# Allegro board AB9.brd
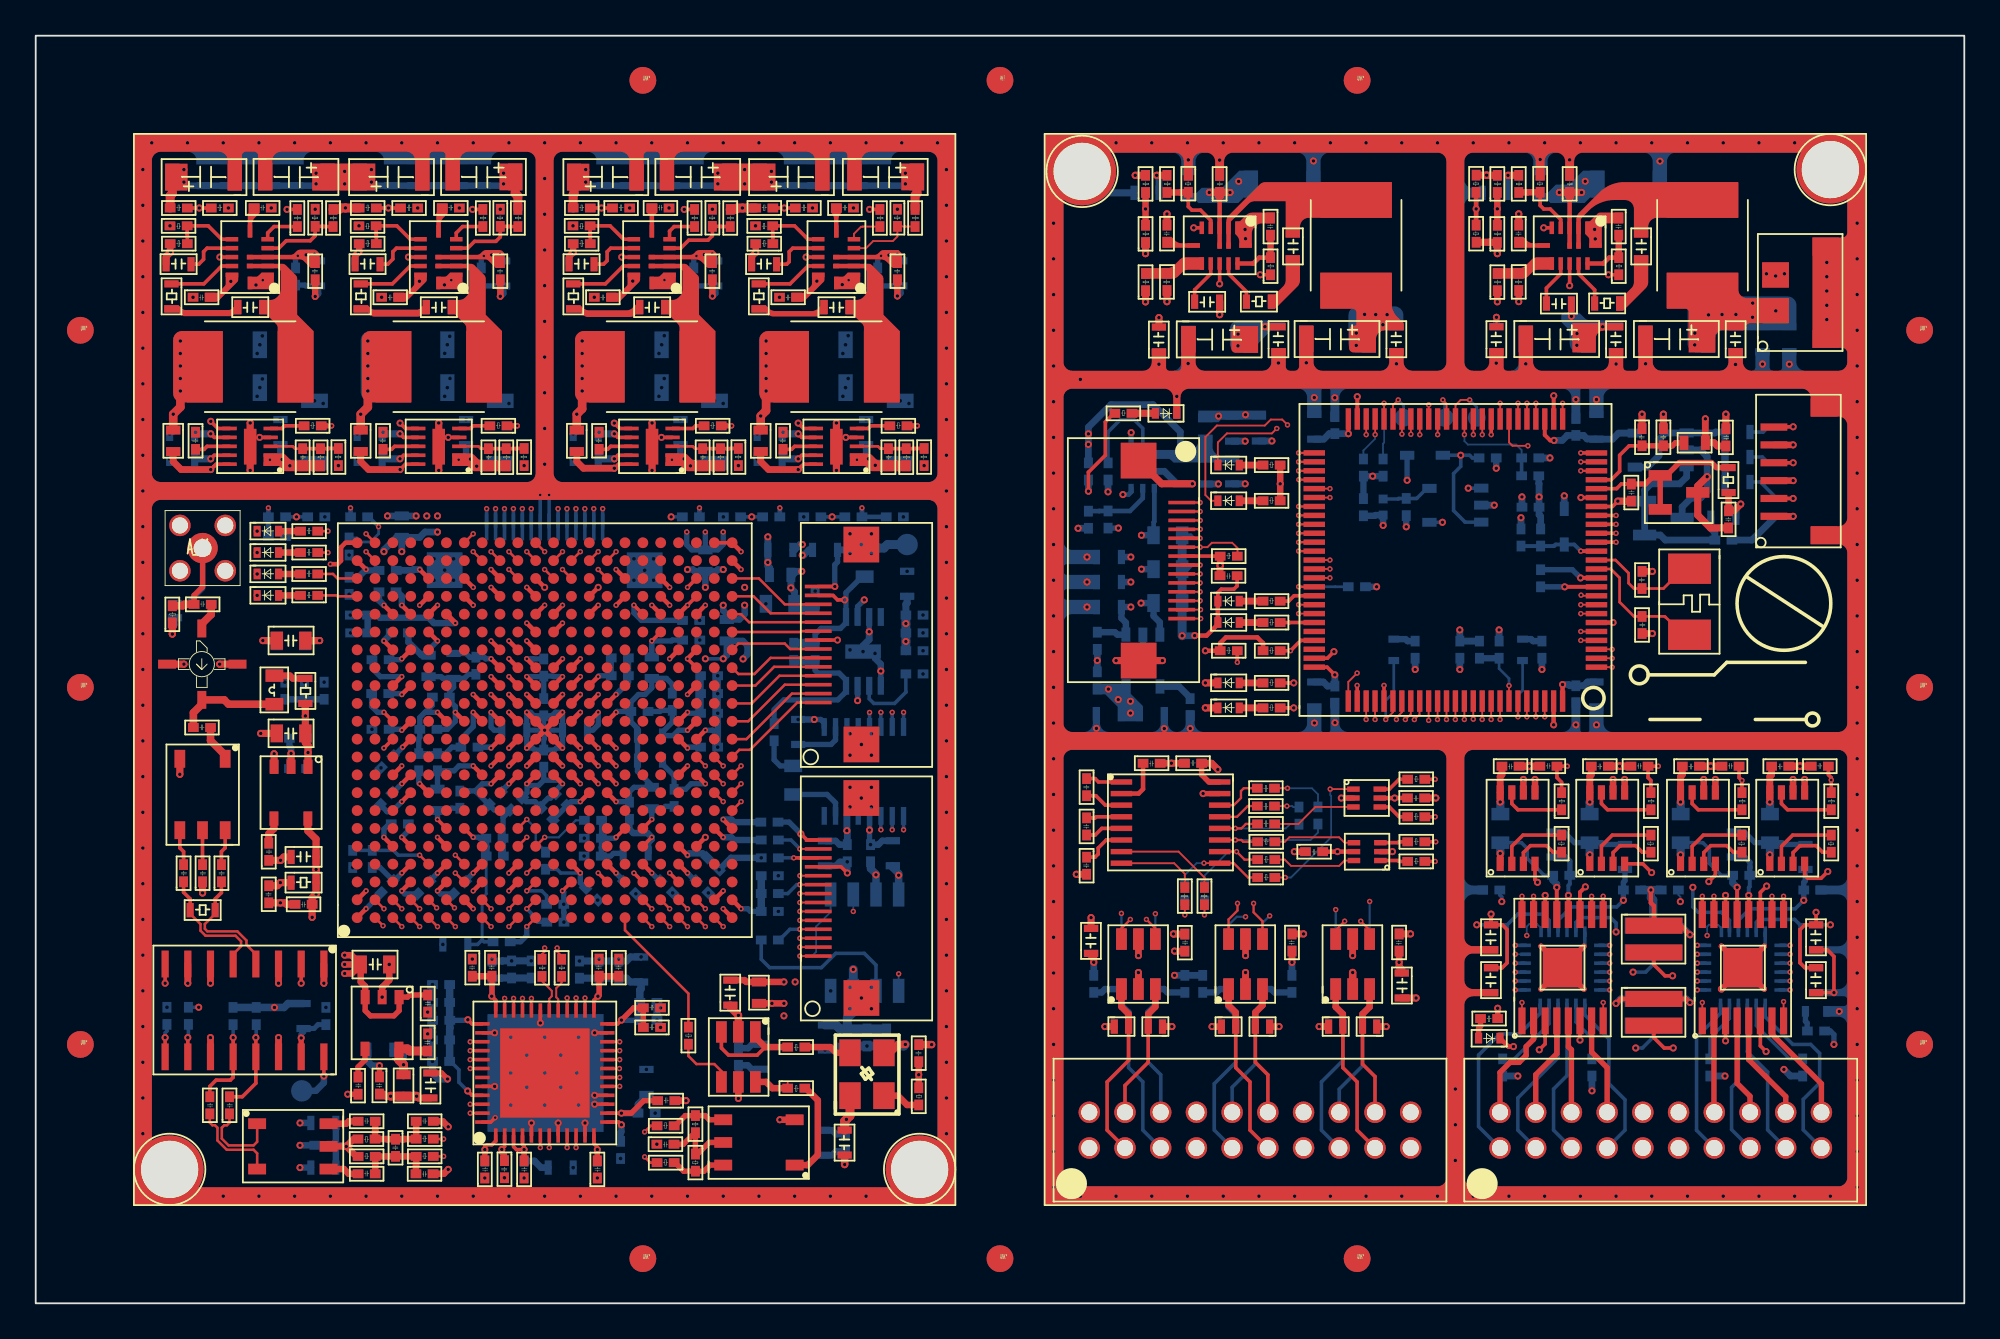
[diagram p0: board, top side]
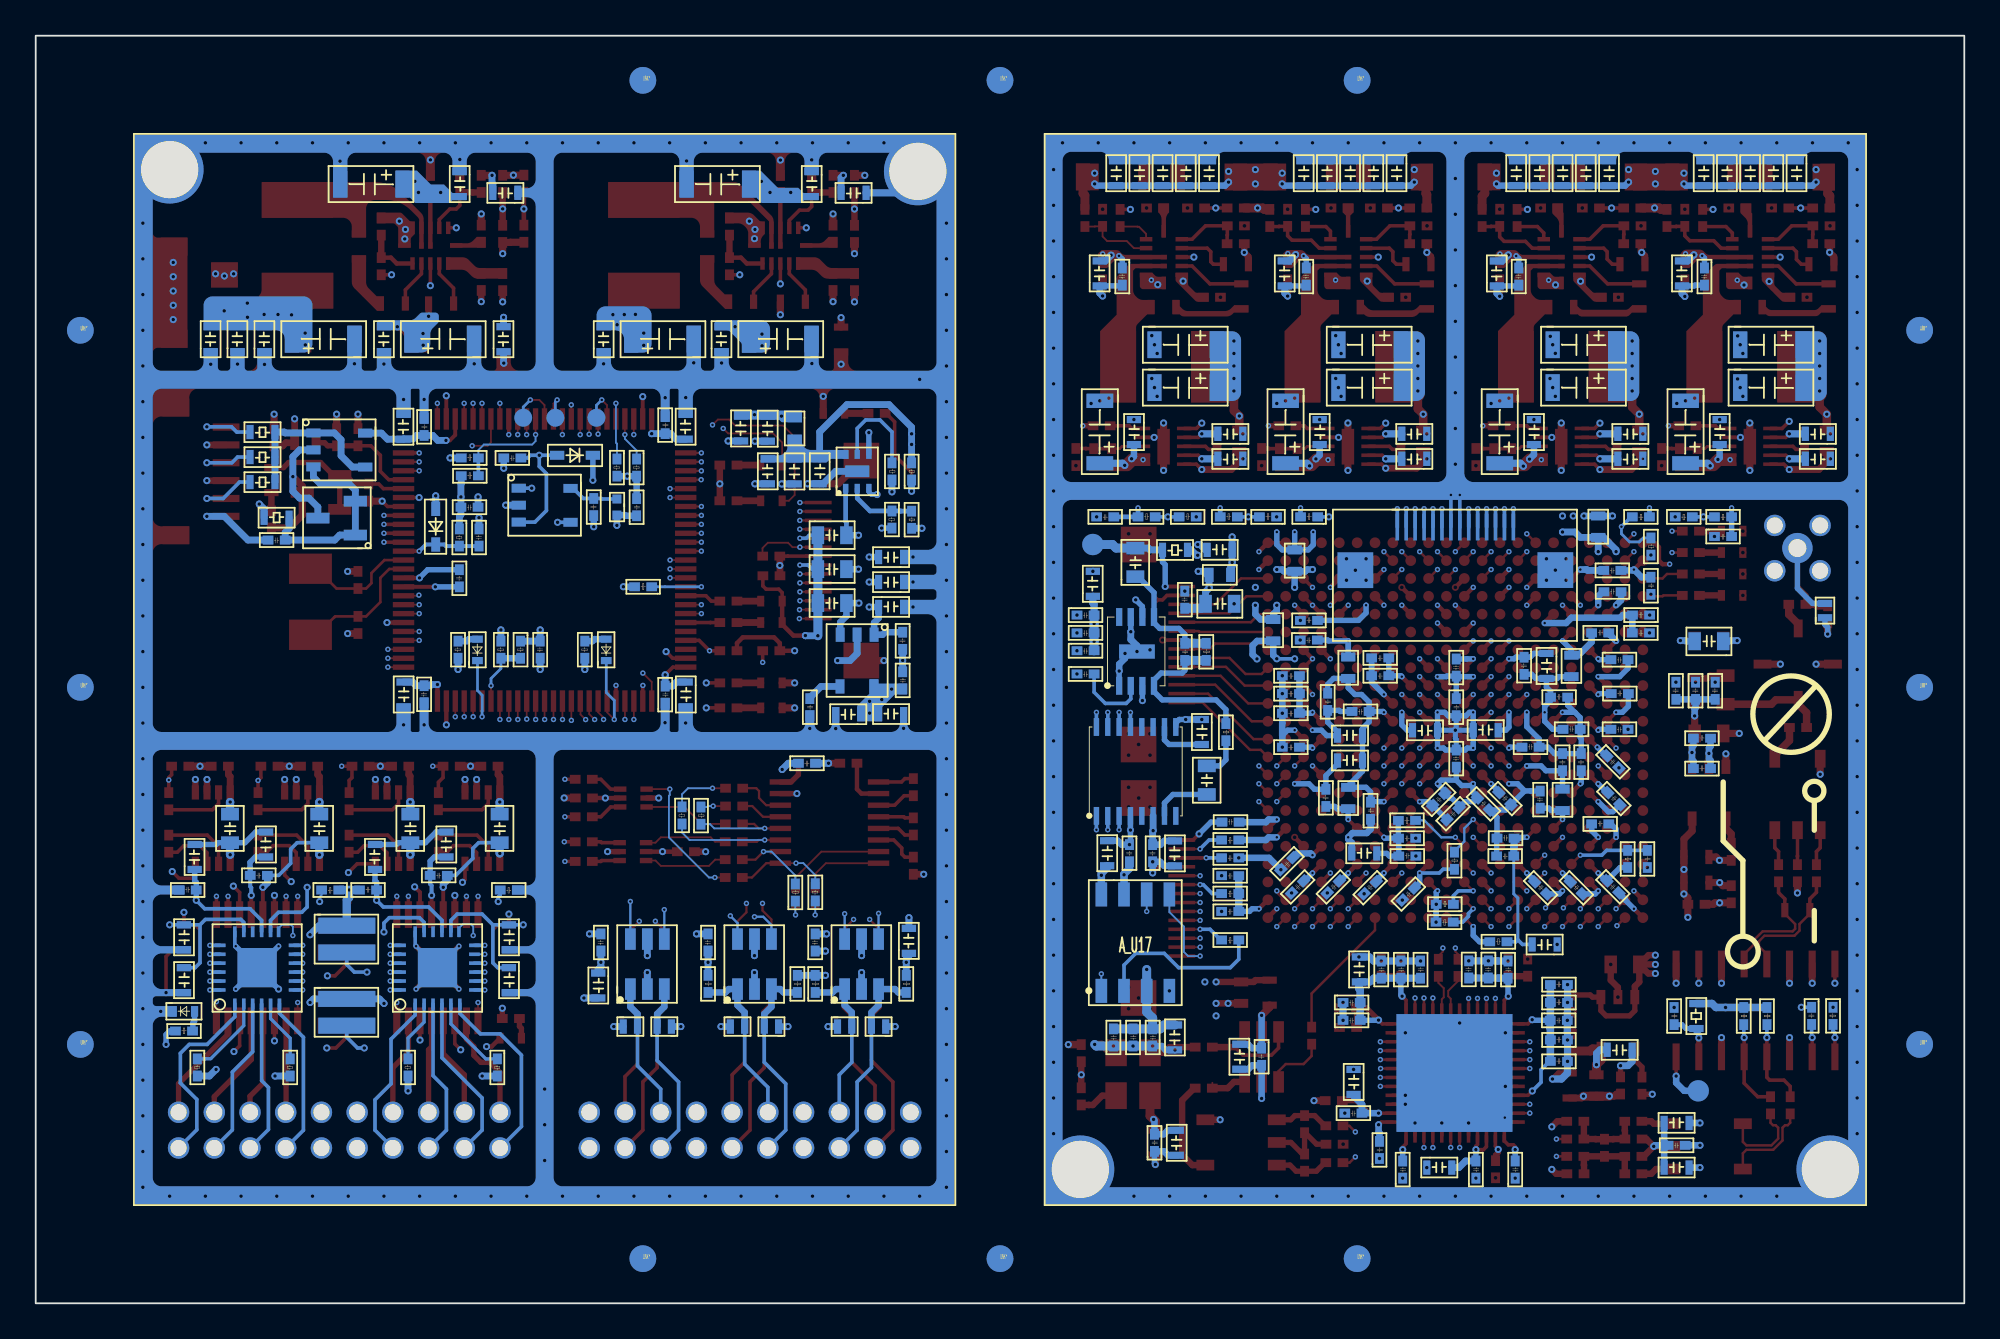
[diagram p1: board, bottom side, seen from below]

Outline 108 x 71 mm; copper layers: TOP, GND-L2, SIGNAL-L3, SIGNAL-L4, GND-L5, PWR-L6, SIGNAL-L7, SIGNAL-L8, GND-L9, BOTTOM. Coordinates in mm from the lower left corner of the outline.
Outline path: rectangle 0,0 108,71

## Design rules (mm)
constraint set DEFAULT: min track width 0.127
net group A_DATA0: nets A_DATA0 A_N7454523
net group A_N7578107: nets A_N7578107 A_N7578654
net group A_N7580738: nets A_N7580738 A_RSSI
net group A_N7581076: nets A_N7581076 A_TINP
net group A_N7581083: nets A_N7581083 A_TINN
net group A_N7586496: nets A_N7586496 A_N7586806
net group A_AIN+: nets A_AIN+ A_AIN- A_N7581273 A_N7581277 A_N7581373 A_N7581387 A_VCOM
net group A_ENC+: nets A_ENC+ A_ENC- A_N7587990 A_N7588005 A_N7588017
net group A_N7578935: nets A_N7578935 A_N7579108 A_N7579398
net group A_N7579488: nets A_N7579488 A_N7579492 A_SOUTN A_SOUTP

## Placement (name value [footprint] x y rotation side)
A_A1  -  [ERA-2SM]  9.3 35.8 270 top
A_C1  22uF/50V  [C1206]  11 63.87 180 top
A_C2  22uF/50V  [C1206]  13 62.3 0 top
A_C3  22uF/50V  [C1206]  21.5 63.87 180 top
A_C4  22uF/50V  [C1206]  23.5 62.3 0 top
A_C5  22uF/50V  [C1206]  33.5 63.87 180 top
A_C6  22uF/50V  [C1206]  35.5 62.3 0 top
A_C7  22uF/50V  [C1206]  43.9 63.87 180 top
A_C8  22uF/50V  [C1206]  46 62.3 0 top
A_C9  15nF  [C0402]  13.2 61.6 180 top
A_C10  15nF  [C0402]  23.74 61.6 180 top
A_C11  15nF  [C0402]  35.48 61.6 180 top
A_C12  15nF  [C0402]  45.8 61.6 180 top
A_C13  100pF  [C0603]  7.2 57.8 0 top
A_C14  150pF  [C0603]  17.78 57.8 0 top
A_C15  100pF  [C0603]  29.77 57.8 0 top
A_C16  100pF  [C0603]  39.99 57.8 0 top
A_C17  0.1uF/50V  [C0402]  15.4 58.3 270 top
A_C18  0.1uF/50V  [C0402]  25.77 58.3 270 top
A_C19  0.1uF/50V  [C0402]  37.64 58.3 270 top
A_C20  0.1uF/50V  [C0402]  48.01 58.3 270 top
A_C21  1uF  [C0402]  8.8 56.1 0 top
A_C22  1uF  [C0402]  19.36 56.1 0 top
A_C23  1uF  [C0402]  31.27 56.1 0 top
A_C24  1uF  [C0402]  41.64 56.1 0 top
A_C25  0.1uF  [C0603]  12.82 56.2 180 top
A_C26  0.1uF  [C0603]  23.38 56.2 180 top
A_C27  0.1uF  [C0603]  35.32 56.2 180 top
A_C28  0.1uF  [C0603]  45.65 56.2 180 top
A_C29  0.1uF  [C0402]  8.7 48.8 270 top
A_C30  0.1uF  [C0402]  19.2 48.8 270 top
A_C31  0.1uF  [C0402]  31.3 48.8 270 top
A_C32  0.1uF  [C0402]  41.6 48.8 270 top
A_C33  10nF  [C0402]  15.2 46.9 90 top
A_C34  10nF  [C0402]  25.6 46.9 90 top
A_C35  10nF  [C0402]  37.6 46.9 90 top
A_C36  10nF  [C0402]  48 46.9 90 top
A_C37  0.1uF  [C0402]  9.84 39.4 180 top
A_C38  10uF  [C0805]  13.3 36.5 0 top
A_C39  0.1uF  [C0402]  9.8 32.5 180 top
A_C40  10uF  [C0805]  13.3 31.3 0 top
A_C41  0.01uF  [C0402]  13.3 24.8 90 top
A_C42  10uF  [C0603]  14.2 24.6 0 top
A_C43  0.01uF  [C0402]  8.53 23.6 90 top
A_C44  0.01uF  [C0402]  9.59 23.6 90 top
A_C45  0.01uF  [C0402]  10.65 23.6 90 top
A_C46  0.01uF  [C0402]  12.8 23.4 270 top
A_C47  0.1uF  [C0402]  14.51 22.1 0 top
A_C48  10uF  [C0805]  20 19.6 180 top
A_C49  0.1uF  [C0402]  24.2 19.29 270 top
A_C50  0.1uF  [C0402]  25.3 19.29 270 top
A_C51  0.1uF  [C0402]  31.3 19.29 270 top
A_C52  0.1uF  [C0402]  32.4 19.29 270 top
A_C53  10uF  [C0603]  39.3 16.6 90 top
A_C54  0.1uF  [C0402]  22.2 16.3 90 top
A_C55  0.1uF  [C0402]  35 16.8 180 top
A_C56  0.1uF  [C0402]  35 15.7 180 top
A_C57  0.1uF  [C0402]  21.7 15.1 270 top
A_C58  0.1uF  [C0402]  49.2 14.5 270 top
A_C59  0.01uF  [C0402]  18.3 11.7 90 top
A_C60  0.1uF  [C0402]  19 12.69 270 top
A_C61  10uF  [C0603]  21.7 13 270 top
A_C62  0.1uF  [C0402]  35.8 11.6 180 top
A_C63  0.01uF  [C0402]  10 10.6 90 top
A_C64  0.01uF  [C0402]  11.1 10.6 90 top
A_C65  1uF  [C0402]  19.02 10.44 180 top
A_C66  8.2pF  [C0402]  22.27 10.44 180 top
A_C67  10uF  [C0603]  45.7 8.2 90 top
A_C68  0.1uF  [C0402]  34.77 8.66 0 top
A_C69  8.2pF  [C0402]  19.9 9.2 270 top
A_C70  0.1uF  [C0402]  25.4 7.01 90 top
A_C71  2.2uF  [C0402]  26 8 270 top
A_C72  0.1uF  [C0402]  27.6 7.01 90 top
A_C73  0.1uF  [C0402]  31.7 7.01 90 top
A_C74  1uF  [C0402]  19.02 7.5 180 top
A_C75  8.2pF  [C0402]  21.28 7 0 top
A_C76  0.1uF/50V  [C0603]  47.9 64.1 270 bottom
A_C77  0.1uF/50V  [C0603]  46.6 64.1 270 bottom
A_C78  0.1uF/50V  [C0603]  45.3 64.1 270 bottom
A_C79  0.1uF/50V  [C0603]  44 64.1 270 bottom
A_C80  0.1uF/50V  [C0603]  42.7 64.1 270 bottom
A_C81  0.1uF/50V  [C0603]  37.4 64.1 270 bottom
A_C82  0.1uF/50V  [C0603]  36.1 64.1 270 bottom
A_C83  0.1uF/50V  [C0603]  34.8 64.1 270 bottom
A_C84  0.1uF/50V  [C0603]  33.5 64.1 270 bottom
A_C85  0.1uF/50V  [C0603]  32.2 64.1 270 bottom
A_C86  0.1uF/50V  [C0603]  25.5 64.1 270 bottom
A_C87  0.1uF/50V  [C0603]  24.2 64.1 270 bottom
A_C88  0.1uF/50V  [C0603]  22.9 64.1 270 bottom
A_C89  0.1uF/50V  [C0603]  21.6 64.1 270 bottom
A_C90  0.1uF/50V  [C0603]  20.3 64.1 270 bottom
A_C91  0.1uF/50V  [C0603]  15 64.1 270 bottom
A_C92  0.1uF/50V  [C0603]  13.7 64.1 270 bottom
A_C93  0.1uF/50V  [C0603]  12.4 64.1 270 bottom
A_C94  0.1uF/25V  [C0603]  11.1 64.1 270 bottom
A_C95  0.1uF/25V  [C0603]  9.8 64.1 270 bottom
A_C96  0.1uF/25V  [C0603]  48.02 56.89 90 bottom
A_C97  0.1uF/25V  [C0603]  15.41 56.89 90 bottom
A_C98  0.1uF/25V  [C0603]  37.65 56.88 90 bottom
A_C99  0.1uF/25V  [C0603]  25.77 56.88 90 bottom
A_C100  0.1uF  [C0402]  47.4 58 270 bottom
A_C101  0.1uF  [C0402]  37.1 58 270 bottom
A_C102  0.1uF  [C0402]  25.2 58 270 bottom
A_C103  0.1uF  [C0402]  14.8 58 270 bottom
A_C104  22uF  [C1206]  45.2 52.9 180 bottom
A_C105  22uF  [C1206]  34.9 52.9 180 bottom
A_C106  22uF  [C1206]  22.9 52.9 180 bottom
A_C107  22uF  [C1206]  12.4 52.9 180 bottom
A_C108  22uF  [C1206]  45.2 50.5 180 bottom
A_C109  22uF  [C1206]  34.9 50.5 180 bottom
A_C110  22uF  [C1206]  22.9 50.5 180 bottom
A_C111  22uF  [C1206]  12.4 50.5 180 bottom
A_C112  22uF  [C1206]  49.2 50.4 270 bottom
A_C113  22uF  [C1206]  38.8 50.4 270 bottom
A_C114  22uF  [C1206]  26.8 50.4 270 bottom
A_C115  22uF  [C1206]  16.4 50.4 270 bottom
A_C116  0.1uF  [C0603]  46.9 49.6 270 bottom
A_C117  0.1uF  [C0603]  36.5 49.6 270 bottom
A_C118  0.1uF  [C0603]  24.5 49.6 270 bottom
A_C119  0.1uF  [C0603]  14.1 49.6 270 bottom
A_C120  10uF  [C0603]  40.3 49.1 0 bottom
A_C121  10uF  [C0603]  30 49.1 0 bottom
A_C122  10uF  [C0603]  17.9 49.1 0 bottom
A_C123  10uF  [C0603]  7.4 49.1 0 bottom
A_C124  10uF  [C0603]  40.3 47.7 0 bottom
A_C125  10uF  [C0603]  30 47.7 0 bottom
A_C126  10uF  [C0603]  17.9 47.7 0 bottom
A_C127  10uF  [C0603]  7.4 47.7 0 bottom
A_C128  0.1uF  [C0402]  48.6 43.8 180 bottom
A_C129  0.1uF  [C0402]  14 42.7 180 bottom
A_C130  10uF  [C0603]  42.5 41.8 180 bottom
A_C131  10uF  [C0805]  45.8 40.5 90 bottom
A_C132  0.1uF  [C0402]  20.2 40.8 180 bottom
A_C133  10uF  [C0603]  48.4 39.5 90 bottom
A_C134  0.1uF  [C0402]  17.3 39.7 90 bottom
A_C135  0.1uF  [C0402]  19.21 40.1 0 bottom
A_C136  0.1uF  [C0402]  43.9 39.9 270 bottom
A_C137  10uF  [C0805]  40.69 39.8 0 bottom
A_C138  0.1uF  [C0402]  49.7 38.3 180 bottom
A_C139  0.1uF  [C0402]  17.61 38.8 0 bottom
A_C140  0.1uF  [C0402]  36.21 38.5 0 bottom
A_C141  0.1uF  [C0402]  49.7 37.3 180 bottom
A_C142  0.1uF  [C0402]  19.9 37.8 0 bottom
A_C143  0.1uF  [C0402]  18.6 37.3 180 bottom
A_C144  0.1uF  [C0402]  37.2 36.9 180 bottom
A_C145  10uF  [C0805]  13.3 37.7 0 bottom
A_C146  0.1uF  [C0402]  49.7 36.3 180 bottom
A_C147  0.1uF  [C0402]  43.4 36 90 bottom
A_C148  0.1uF  [C0402]  33.2 35.9 180 bottom
A_C149  0.1uF  [C0402]  19.8 35.8 180 bottom
A_C150  0.1uF  [C0402]  24.9 36.2 270 bottom
A_C151  10uF  [C0603]  23.8 36.5 270 bottom
A_C152  0.1uF  [C0402]  28.7 36.1 270 bottom
A_C153  0.1uF  [C0402]  49.7 35 180 bottom
A_C154  0.1uF  [C0402]  38.2 34.9 180 bottom
A_C155  0.1uF  [C0402]  33.2 34.9 180 bottom
A_C156  0.1uF  [C0402]  16.4 34.8 270 bottom
A_C157  0.1uF  [C0402]  15.3 34.8 270 bottom
A_C158  0.1uF  [C0402]  14.2 34.8 270 bottom
A_C159  0.1uF  [C0402]  38.2 33.9 180 bottom
A_C160  0.1uF  [C0402]  18.8 34.4 0 bottom
A_C161  0.1uF  [C0402]  22.2 34.2 0 bottom
A_C162  0.1uF  [C0402]  35.4 33.2 90 bottom
A_C163  0.1uF  [C0402]  28.2 32.9 90 bottom
A_C164  0.1uF  [C0402]  34.3 32.9 180 bottom
A_C165  0.1uF  [C0402]  38.2 32.8 180 bottom
A_C166  0.1uF  [C0402]  21.5 32.4 0 bottom
A_C167  0.1uF  [C0402]  19.8 31.9 180 bottom
A_C168  10uF  [C0603]  29.4 32.5 0 bottom
A_C169  10uF  [C0603]  27.6 31.7 180 bottom
A_C170  10uF  [C0603]  43.1 32.8 270 bottom
A_C171  10uF  [C0603]  35.2 31.4 180 bottom
A_C172  0.1uF  [C0402]  14.2 31.9 0 bottom
A_C173  0.1uF  [C0402]  38.2 30.9 180 bottom
A_C174  0.1uF  [C0402]  23.8 31.4 0 bottom
A_C175  0.1uF  [C0402]  28.7 31 270 bottom
A_C176  10uF  [C0603]  35.2 30 180 bottom
A_C177  0.1uF  [C0402]  20.2 30.5 225 bottom
A_C178  0.1uF  [C0402]  22.75 30.8 270 bottom
A_C179  0.1uF  [C0402]  21.7 30.8 270 bottom
A_C180  0.1uF  [C0402]  14.2 30.2 0 bottom
A_C181  10uF  [C0805]  41.8 28.3 90 bottom
A_C182  0.1uF  [C0402]  36 28.8 270 bottom
A_C183  0.1uF  [C0402]  25.2 28.1 45 bottom
A_C184  0.1uF  [C0402]  19.1 28.1 45 bottom
A_C185  0.1uF  [C0402]  29.6 27.7 135 bottom
A_C186  0.1uF  [C0402]  24 28.7 270 bottom
A_C187  0.1uF  [C0402]  26.4 27.8 45 bottom
A_C188  0.1uF  [C0402]  33 27.1 90 bottom
A_C189  0.1uF  [C0402]  28.8 26.9 135 bottom
A_C190  0.1uF  [C0402]  40.6 27.2 0 bottom
A_C191  0.1uF  [C0402]  19.9 27.1 0 bottom
A_C192  0.1uF  [C0402]  31.69 25.8 180 bottom
A_C193  0.1uF  [C0402]  25.2 26.3 0 bottom
A_C194  10uF  [C0603]  48.4 26.01 270 bottom
A_C195  0.1uF  [C0402]  47 25.7 270 bottom
A_C196  0.1uF  [C0402]  45.7 25.7 270 bottom
A_C197  10uF  [C0603]  43.8 24.4 90 bottom
A_C198  10uF  [C0603]  34.4 24.8 180 bottom
A_C199  0.1uF  [C0402]  30.7 25.3 0 bottom
A_C200  0.1uF  [C0402]  26.2 24.8 180 bottom
A_C201  0.1uF  [C0402]  41.6 24.7 180 bottom
A_C202  0.1uF  [C0402]  17.5 24.4 90 bottom
A_C203  0.1uF  [C0402]  38.1 24.1 135 bottom
A_C204  0.1uF  [C0402]  41.6 23.7 180 bottom
A_C205  0.1uF  [C0402]  37.5 22.8 135 bottom
A_C206  0.1uF  [C0402]  35.5 22.8 135 bottom
A_C207  0.1uF  [C0402]  20.2 23.5 225 bottom
A_C208  0.1uF  [C0402]  33.1 23.8 315 bottom
A_C209  0.1uF  [C0402]  23.2 23.1 45 bottom
A_C210  0.1uF  [C0402]  21.2 23.1 45 bottom
A_C211  0.1uF  [C0402]  31.3 22.4 135 bottom
A_C212  0.1uF  [C0402]  41.6 21.7 180 bottom
A_C213  10uF  [C0603]  22.7 20.5 0 bottom
A_C214  10uF  [C0603]  34.3 19.5 270 bottom
A_C215  0.1uF  [C0402]  32.4 18.2 90 bottom
A_C216  0.1uF  [C0402]  31.3 18.2 90 bottom
A_C217  0.1uF  [C0402]  30.2 18.2 90 bottom
A_C218  0.1uF  [C0402]  28 19.19 270 bottom
A_C219  0.1uF  [C0402]  26.9 19.19 270 bottom
A_C220  0.1uF  [C0402]  25.3 18.2 90 bottom
A_C221  0.1uF  [C0402]  22.21 18.1 0 bottom
A_C222  0.1uF  [C0402]  34.8 16.6 180 bottom
A_C223  0.1uF  [C0402]  22.21 17.1 0 bottom
A_C224  0.1uF  [C0402]  16 15.6 90 bottom
A_C225  33pF  [C0402]  8.8 16.59 270 bottom
A_C226  0.1uF  [C0402]  34.8 15.6 180 bottom
A_C227  0.1uF  [C0402]  23.2 15.6 180 bottom
A_C228  0.1uF  [C0402]  47.4 14.4 90 bottom
A_C229  0.1uF  [C0402]  46.3 14.4 90 bottom
A_C230  0.1uF  [C0402]  45.2 14.4 90 bottom
A_C231  10uF  [C0603]  43.8 14.09 90 bottom
A_C232  0.1uF  [C0402]  22.21 15 0 bottom
A_C233  10uF  [C0603]  18.5 14.6 0 bottom
A_C234  1uF  [C0603]  41 14.61 270 bottom
A_C235  0.1uF  [C0402]  39.6 14.3 270 bottom
A_C236  0.1uF  [C0402]  22.21 13.8 0 bottom
A_C237  10uF  [C0603]  34.6 13.2 270 bottom
A_C238  0.1uF  [C0402]  34.7 10.4 180 bottom
A_C239  10uF  [C0603]  16.91 9.7 180 bottom
A_C240  0.1uF  [C0402]  45.1 8.5 90 bottom
A_C241  1uF  [C0603]  43.7 8.19 90 bottom
A_C242  2.2uF  [C0402]  16.6 8.6 180 bottom
A_C243  0.1uF  [C0402]  32.5 8.1 90 bottom
A_C244  10uF  [C0603]  30.2 7.2 180 bottom
A_C245  10uF  [C0603]  16.91 7.2 180 bottom
A_C246  0.1uF  [C0402]  31.2 7 90 bottom
A_C247  0.1uF  [C0402]  27.1 7 90 bottom
A_C248  0.1uF  [C0402]  24.9 7 90 bottom
A_D1  LED  [LED0402]  12.5 43 0 top
A_D2  LED  [LED0402]  12.5 41.8 0 top
A_D3  LED  [LED0402]  12.5 40.6 0 top
A_D4  LED  [LED0402]  12.5 39.4 0 top
A_D5  ESD5451X  [DF1006]  7.5 38.3 90 bottom
A_J1  SMA-CONNECTOR  [SMA]  9.35 42.3 0 top
A_J2  FPC-14P-0.5  [FPC-14P-0D5]  47.3 36.9 90 top
A_J3  FPC-14P-0.5  [FPC-14P-0D5]  47.3 22.7 90 top
A_J4  FPC-14P-0.5  [FPC-14P-0D5]  28.5 40 180 bottom
A_L1  4.7uH/2A  [CD54-IND-2P]  14.55 55 180 top
A_L2  4.7uH/2A  [CD54-IND-2P]  25.11 55 180 top
A_L3  2.2uH/2A  [CD54-IND-2P]  37.05 55 180 top
A_L4  2.2uH/2A  [CD54-IND-2P]  47.38 55 180 top
A_L5  BLM18SP102SN1D  [FB0603]  7.3 49.11 270 top
A_L6  BLM18SP102SN1D  [FB0603]  17.8 49.11 270 top
A_L7  BLM18SP102SN1D  [FB0603]  29.9 49.11 270 top
A_L8  BLM18SP102SN1D  [FB0603]  40.2 49.11 270 top
A_L9  1uH/100mA  [L0805]  13.98 33.36 90 top
A_L10  BLM18SP102SN1D  [FB0603]  40.1 18.2 270 top
A_L11  BLM18SP102SN1D  [FB0603]  20.2 13 270 top
A_L12  BLM18SP102SN1D  [FB0603]  20.9 44.3 270 bottom
A_L13  BLM18SP102SN1D  [FB0603]  37.9 42.4 270 bottom
A_L14  BLM18SP102SN1D  [FB0603]  40.89 41.2 0 bottom
A_L15  BLM18SP102SN1D  [FB0603]  38.3 36.9 90 bottom
A_L16  BLM18SP102SN1D  [FB0603]  22.4 36.5 270 bottom
A_L17  BLM18SP102SN1D  [FB0603]  34.9 36.4 270 bottom
A_L18  BLM18SP102SN1D  [FB0603]  34.1 27.5 90 bottom
A_L19  BLM18SP102SN1D  [FB0603]  22.1 27.4 90 bottom
A_R1  100K  [R0402]  8.5 61.6 180 top
A_R2  DNP  [R0402]  10.8 61.6 180 top
A_R3  100K  [R0402]  19.08 61.6 180 top
A_R4  DNP  [R0402]  21.4 61.6 180 top
A_R5  100K  [R0402]  31.07 61.6 180 top
A_R6  DNP  [R0402]  33.27 61.6 180 top
A_R7  100K  [R0402]  41.29 61.6 180 top
A_R8  DNP  [R0402]  43.51 61.6 180 top
A_R9  100K  [R0402]  14.9 60.3 90 top
A_R10  787K  [R0402]  15.4 61.29 270 top
A_R11  DNP  [R0402]  16.9 60.3 90 top
A_R12  100K  [R0402]  25.29 60.3 90 top
A_R13  499K  [R0402]  25.77 61.29 270 top
A_R14  DNP  [R0402]  27.25 60.3 90 top
A_R15  100K  [R0402]  37.14 60.3 90 top
A_R16  180K  [R0402]  37.64 61.29 270 top
A_R17  DNP  [R0402]  39.14 60.3 90 top
A_R18  100K  [R0402]  47.52 60.3 90 top
A_R19  180K  [R0402]  48.01 61.29 270 top
A_R20  DNP  [R0402]  49.49 60.3 90 top
A_R21  40.2K  [R0402]  7.51 60.1 0 top
A_R22  40.2K  [R0402]  18.09 60.1 0 top
A_R23  40.2K  [R0402]  30.08 60.1 0 top
A_R24  40.2K  [R0402]  40.3 60.1 0 top
A_R25  328K  [R0402]  8.5 59.6 180 top
A_R26  240K  [R0402]  19.08 59.6 180 top
A_R27  180K  [R0402]  31.07 59.6 180 top
A_R28  100K  [R0402]  41.29 59.6 180 top
A_R29  0  [R0603]  7.2 57.2 270 top
A_R30  0  [R0603]  17.8 57.2 270 top
A_R31  0  [R0603]  29.7 57.2 270 top
A_R32  0  [R0603]  40.09 57.2 270 top
A_R33  20K  [R0402]  16 49.4 180 top
A_R34  20K  [R0402]  26.4 49.4 180 top
A_R35  20K  [R0402]  38.4 49.4 180 top
A_R36  20K  [R0402]  48.8 49.4 180 top
A_R37  10.5K  [R0402]  16.2 46.9 90 top
A_R38  2K  [R0402]  16.7 47.89 270 top
A_R39  3.57K  [R0402]  26.6 46.9 90 top
A_R40  1.15K  [R0402]  27.1 47.89 270 top
A_R41  2.43K  [R0402]  38.6 46.9 90 top
A_R42  1.15K  [R0402]  39.1 47.89 270 top
A_R43  5.9K  [R0402]  49 46.9 90 top
A_R44  11.8K  [R0402]  49.5 47.89 270 top
A_R45  1K  [R0402]  15.8 43.5 180 top
A_R46  1K  [R0402]  15.8 42.3 180 top
A_R47  1K  [R0402]  15.8 41.1 180 top
A_R48  1K  [R0402]  15.8 39.9 180 top
A_R49  49.9  [R0402]  7.9 38.1 90 top
A_R50  39  [R0603]  14.7 35.1 270 top
A_R51  10  [R0603]  14.2 23.16 0 top
A_R52  51  [R0603]  8.55 21.62 0 top
A_R53  100  [R0402]  28.6 18.3 90 top
A_R54  100  [R0402]  29.7 18.3 90 top
A_R55  100  [R0402]  36.8 14.5 90 top
A_R56  33  [R0402]  42.1 14.1 0 top
A_R57  100  [R0402]  42.1 11.8 0 top
A_R58  1K  [R0402]  49.7 11.1 90 top
A_R59  49.9  [R0402]  36.69 10.52 270 top
A_R60  33  [R0402]  35.76 10.19 180 top
A_R61  DNP  [R0402]  18.03 8.95 0 top
A_R62  33  [R0402]  22.27 9.45 180 top
A_R63  DNP  [R0402]  19.02 8.48 180 top
A_R64  33  [R0402]  22.27 8.48 180 top
A_R65  33  [R0402]  35.76 8.13 180 top
A_R66  49.9  [R0402]  36.69 8.37 270 top
A_R67  DNP  [R0402]  45.3 44.3 0 bottom
A_R68  0  [R0402]  43 44.3 0 bottom
A_R69  0  [R0402]  40.7 44.3 0 bottom
A_R70  DNP  [R0402]  38.5 44.3 0 bottom
A_R71  10K  [R0402]  36.2 44.3 0 bottom
A_R72  DNP  [R0402]  18.6 43.8 180 bottom
A_R73  0  [R0402]  16.2 43.8 180 bottom
A_R74  DNP  [R0402]  14 43.8 180 bottom
A_R75  0  [R0402]  17.3 41.9 90 bottom
A_R76  10K  [R0603]  43.4 42.6 0 bottom
A_R77  10K  [R0402]  42.2 36 90 bottom
A_R78  5.1K  [R0402]  41.1 31.5 90 bottom
A_R79  1K  [R0402]  31.7 26.8 180 bottom
A_R80  10K  [R0402]  41.6 25.7 180 bottom
A_R81  10K  [R0402]  18.6 24.4 90 bottom
A_R82  10K  [R0402]  28.3 24.3 90 bottom
A_R83  10K  [R0402]  41.6 22.7 180 bottom
A_R84  10K  [R0402]  28.6 22.6 0 bottom
A_R85  1K  [R0402]  29.59 21.1 180 bottom
A_R86  25  [R0402]  41.6 20.1 180 bottom
A_R87  1K  [R0402]  25.6 20.5 0 bottom
A_R88  10  [R0603]  14.6 15.29 90 bottom
A_R89  51  [R0402]  12.1 15.6 90 bottom
A_R90  51  [R0402]  10.8 15.6 90 bottom
A_R91  51  [R0402]  7.6 16.59 270 bottom
A_T1  ETC1-1T-2TR  [SM-22]  11.25 30.4 180 top
A_T2  ETC1-1T-2TR  [SM-22]  42.4 7.1 90 top
A_T3  ETC1-1T-2TR  [SM-22]  12.5 10.7 270 top
A_TP1  T POINT R  [SCREW-M3]  7.5 7.5 0 top
A_TP2  T POINT R  [SCREW-M3]  49.5 7.5 0 top
A_TP3  T POINT S  [TP_SMD_CIR_1D2]  48.8 42.5 180 bottom
A_TP4  T POINT S  [TP_SMD_CIR_1D2]  14.9 11.9 180 bottom
A_U1  MP2326GD  [QFN-14]  12 58.6 180 top
A_U2  MP2326GD  [QFN-14]  22.56 58.6 180 top
A_U3  MP2326GD  [QFN-14]  34.5 58.6 180 top
A_U4  MP2326GD  [QFN-14]  44.83 58.6 180 top
A_U5  TPS7A9201DSKR  [WSON-10]  13.16 47 180 top
A_U6  TPS7A9201DSKR  [WSON-10]  23.72 47 180 top
A_U7  TPS7A9201DSKR  [WSON-10]  35.66 47 180 top
A_U8  TPS7A9201DSKR  [WSON-10]  45.99 47 180 top
A_U9  EP4CE40F23I7  [FBGA-484]  18 21.6 90 top
A_U10  SGM2028-3.3  [SOT-23-5]  14.3 28.6 180 top
A_U11  AD8306AR  [SO-16]  11.7 16.4 180 top
A_U12  SGM2028-3.3  [SOT-23-5]  19.4 15.7 180 top
A_U13  SN74LVC2G34DBVR  [SOT-23-6]  40.3 15.2 270 top
A_U14  LTC2207  [QFN-48]  28.51 12.9 90 top
A_U15  TPA711  [MSOP-8-PAD]  47.33 38.2 180 bottom
A_U16  PCM1754  [SSOP-16]  43.9 26.7 90 bottom
A_U17  EPCQ16ASI8N  [SO-8]  48.33 22.9 180 bottom
A_Y1  KC3225A49.1520C30E00  [TSX-3225-4P]  47.8 11.2 90 top
B_C1  0.1uF  [C0402]  66.55 62.21 90 top
B_C2  0.1uF  [C0402]  86.15 62.21 90 top
B_C3  1uF/10V  [C0402]  68.9 60.8 270 top
B_C4  1uF/10V  [C0402]  88.4 60.8 270 top
B_C5  15nF  [C0402]  63.1 60.4 270 top
B_C6  15nF  [C0402]  82.8 60.4 270 top
B_C7  0.1uF  [C0603]  70 60 270 top
B_C8  0.1uF  [C0603]  89.5 60 270 top
B_C9  100pF/25V  [C0603]  66.4 56.5 180 top
B_C10  150pF/25V  [C0603]  86.1 56.4 180 top
B_C11  0.1uF/25V  [C0603]  70 53.2 90 top
B_C12  22uF/25V  [C1206]  71.3 53.22 0 top
B_C13  0.1uF/25V  [C0603]  76.6 53.2 90 top
B_C14  0.1uF/25V  [C0603]  82.2 53.2 90 top
B_C15  22uF/25V  [C1206]  83.6 53.22 0 top
B_C16  0.1uF/25V  [C0603]  88.9 53.2 90 top
B_C17  22uF/25V  [C1206]  90.3 53.22 0 top
B_C18  0.1uF  [C0603]  95.6 53.2 90 top
B_C19  0.1uF/25V  [C0603]  63.3 53.18 90 top
B_C20  22uF/25V  [C1206]  64.7 53.2 0 top
B_C21  0.1uF  [C0402]  89.7 49 270 top
B_C22  0.1uF  [C0402]  90.9 49 270 top
B_C23  0.1uF  [C0402]  94.9 48.01 90 top
B_C24  0.1uF  [C0402]  89.6 44.92 90 top
B_C25  0.1uF  [C0402]  94.55 44.4 270 top
B_C26  0.1uF  [C0402]  66.31 40.5 0 top
B_C27  22pF  [C0402]  89.7 41 270 top
B_C28  22pF  [C0402]  90.2 37.5 90 top
B_C29  0.1uF  [C0402]  62 30 0 top
B_C30  0.1uF  [C0402]  65.3 30.5 180 top
B_C31  0.1uF  [C0402]  82.1 29.83 0 top
B_C32  0.1uF  [C0402]  85.2 30.33 180 top
B_C33  0.1uF  [C0402]  87.1 29.83 0 top
B_C34  0.1uF  [C0402]  90.3 30.33 180 top
B_C35  0.1uF  [C0402]  92.2 29.83 0 top
B_C36  0.1uF  [C0402]  95.4 30.33 180 top
B_C37  0.1uF  [C0402]  97.2 29.83 0 top
B_C38  0.1uF  [C0402]  100.4 30.33 180 top
B_C39  0.1uF  [C0402]  58.6 29.4 270 top
B_C40  0.1uF  [C0402]  76.81 28.05 0 top
B_C41  0.1uF  [C0402]  58.6 27.2 270 top
B_C42  0.1uF  [C0402]  71.1 25.05 0 top
B_C43  0.1uF  [C0402]  58.6 25 270 top
B_C44  2.2uF  [C0603]  81.9 19.7 90 top
B_C45  2.2uF  [C0603]  100.1 19.7 90 top
B_C46  10uF  [C0603]  59.5 19.5 90 top
B_C47  0.1uF  [C0402]  64.6 19.71 90 top
B_C48  0.1uF  [C0402]  70.1 20.7 270 top